# KiCad board 2000ATX.kicad_pcb (continued)
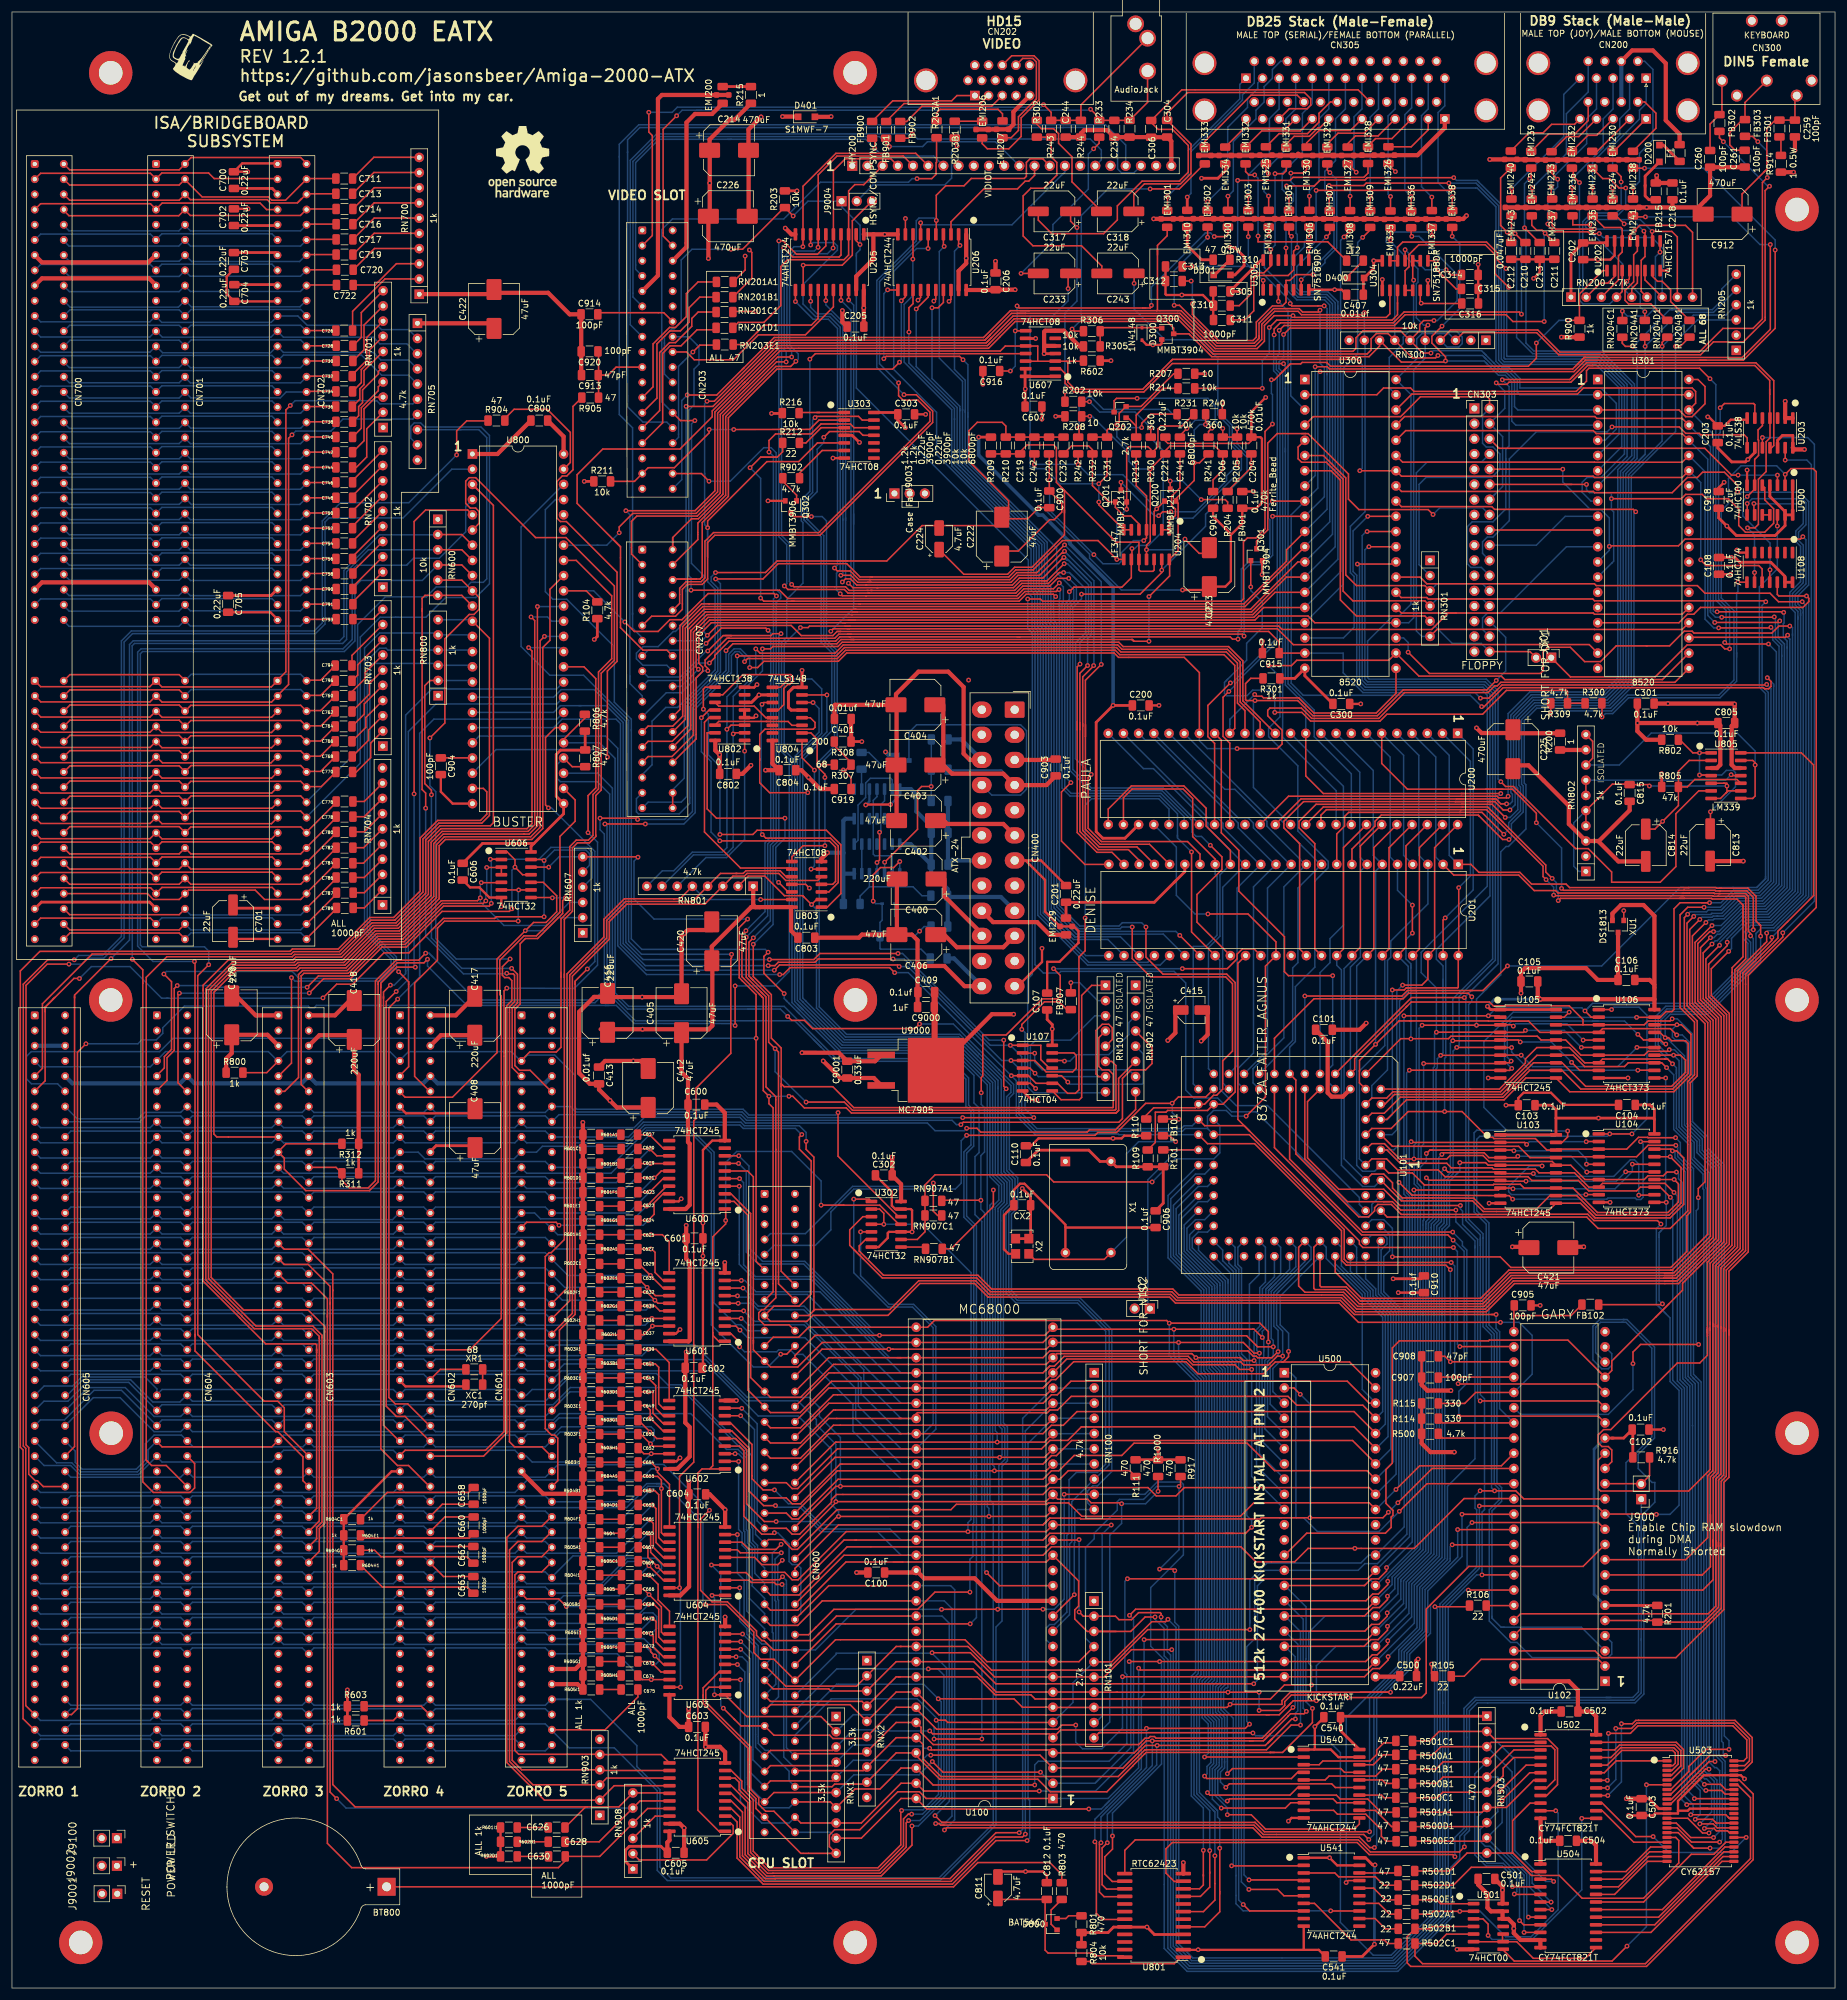
[diagram p0: board, top side]
## Routing (per net, layer and track width the routed paths; a pad name or vN(x,y) marks a point on that pad's centre or on a via; arc(x,y) is an arc through that point) (continued)
Net-(C669-Pad1): length 3.7
  Top w0.25: R605C1.2 C669.1
Net-(C670-Pad1): length 3.7
  Top w0.25: C670.1 R605D1.2
Net-(C671-Pad1): length 3.7
  Top w0.25: R605E1.2 C671.1
Net-(C672-Pad1): length 3.7
  Top w0.25: C672.1 R605F1.2
Net-(C673-Pad1): length 3.6
  Top w0.25: R605G1.2 C673.1
Net-(C674-Pad1): length 3.6
  Top w0.25: R605H1.2 C674.1
Net-(C675-Pad1): length 3.6
  Top w0.25: C675.1 R605I1.2
Net-(C711-Pad1): length 12.4
  Top w0.25: C711.1 60.51,305.92 67.89,305.92
Net-(C711-Pad2): length 49.4
  Top w0.25: 28.89,302.2 31.8,299.29 42.87,299.29 43.43,298.74 45.73,298.74 CN702.A2 ; C711.2 49.1,302.36 ; CN700.A2 9.64,301.28 27.95,301.28 CN701.A2
Net-(C713-Pad1): length 12.4
  Top w0.25: C713.1 60.51,303.38 67.89,303.38
Net-(C713-Pad2): length 48.5
  Top w0.25: 49.1,299.82 C713.2 ; 48.41,298.98 47.82,298.39 ; 48.41,298.98 47.72,298.29 43.24,298.29 42.68,298.84 29.81,298.84 CN701.A3 27.95,298.74 9.64,298.74 CN700.A3 ; 48.41,298.98 49.25,299.82
Net-(C714-Pad1): length 12.4
  Top w0.25: C714.1 60.56,300.84 67.89,300.84
Net-(C714-Pad2): length 47.3
  Top w0.25: 28.87,297.14 27.89,296.16 9.53,296.16 8.6,297.09 ; 28.89,297.12 29.82,296.19 48.23,296.19 49.21,297.17 ; 49.1,297.28 C714.2
Net-(C716-Pad1): length 12.4
  Top w0.25: C716.1 60.56,298.3 67.89,298.3
Net-(C716-Pad2): length 47.1
  Top w0.25: 49.25,294.74 C716.2
  Bottom w0.25: 28.91,294.55 29.84,293.62 48.25,293.62 49.23,294.6 ; 8.6,294.55 9.53,293.62 27.89,293.62 28.87,294.6
Net-(C717-Pad1): length 12.4
  Top w0.25: C717.1 60.56,295.76 67.89,295.76
Net-(C717-Pad2): length 47.1
  Top w0.25: 49.25,292.2 C717.2
  Bottom w0.25: 28.91,292.01 29.84,291.08 48.25,291.08 49.23,292.06 ; 8.6,292.01 9.53,291.08 27.89,291.08 28.87,292.06
Net-(C719-Pad1): length 12.4
  Top w0.25: C719.1 60.56,293.22 67.89,293.22
Net-(C719-Pad2): length 47.3
  Top w0.25: 49.25,289.66 C719.2
  Bottom w0.25: 28.93,289.53 27.95,288.55 9.59,288.55 8.66,289.48 ; 28.93,289.61 30.04,288.5 48.09,288.5 49.25,289.66
Net-(C720-Pad1): length 12.3
  Top w0.25: C720.1 60.61,290.68 67.89,290.68
Net-(C720-Pad2): length 47.2
  Top w0.25: 49.25,287.12 C720.2
  Bottom w0.25: 8.66,286.94 9.59,286.01 27.95,286.01 28.93,286.99 ; 49.21,287.01 48.23,286.03 29.82,286.03 28.89,286.96
Net-(C722-Pad1): length 12.3
  Top w0.25: C722.1 60.72,284.58 64.27,288.14 67.89,288.14
Net-(C722-Pad2): length 47.2
  Top w0.25: 49.25,284.58 C722.2
  Bottom w0.25: 28.89,284.42 29.82,283.49 48.23,283.49 49.21,284.47 ; 8.66,284.4 9.59,283.47 27.95,283.47 28.93,284.45
Net-(C726-Pad1): length 16.4
  Top w0.25: C726.1 56.95,280.18 62.37,285.6 67.89,285.6
Net-(C726-Pad2): length 47.1
  Top w0.25: 49.25,276.96 C726.2
  Bottom w0.25: CN700.A12 9.64,277.84 27.95,277.84 CN701.A12 29.91,277.84 48.27,277.84 CN702.A12
Net-(C728-Pad1): length 11.3
  Top w0.25: C728.1 58.41,275.83 58.41,279.97 RN701.10
Net-(C728-Pad2): length 47.2
  Top w0.25: C728.2 49.25,274.42
  Bottom w0.25: 49.25,274.42 48.27,275.4 29.96,275.4 28.93,274.37 27.95,275.35 9.69,275.35 CN700.A13
Net-(C730-Pad1): length 11.3
  Top w0.25: C730.1 58.86,273.74 58.86,277.88 RN701.9
Net-(C730-Pad2): length 47.1
  Top w0.25: 49.25,271.88 C730.2
  Bottom w0.25: 49.23,271.74 48.25,270.76 29.84,270.76 28.91,271.69 ; 8.66,271.71 9.59,270.78 27.95,270.78 28.93,271.76
Net-(C732-Pad1): length 11.3
  Top w0.25: C732.1 56.9,269.58 59.31,271.99 59.31,275.79 RN701.8
Net-(C732-Pad2): length 47
  Top w0.25: 54.1,269.34 49.25,269.34
  Bottom w0.25: 28.91,269.15 29.84,268.22 48.25,268.22 49.23,269.2 ; 8.66,269.17 9.59,268.24 27.95,268.24 28.93,269.22
Net-(C734-Pad1): length 11.3
  Top w0.25: RN701.7 59.77,273.71 59.77,271.81 58.41,270.45 58.41,268.26 C734.1
Net-(C734-Pad2): length 47.1
  Top w0.25: 49.25,266.8 C734.2
  Bottom w0.25: 8.66,266.63 9.59,265.7 27.95,265.7 28.93,266.68 ; CN701.A16 29.91,265.72 44.87,265.72 45.85,266.7 CN702.A16
Net-(C736-Pad1): length 11.3
  Top w0.25: RN701.6 58.86,270.26 58.86,267.93 58.16,267.23 58.16,265.5 C736.1
Net-(C736-Pad2): length 47
  Top w0.25: C736.2 49.25,264.26
  Bottom w0.25: 28.91,264.07 29.84,263.14 48.25,263.14 49.23,264.12 ; 8.66,264.09 9.59,263.16 27.95,263.16 28.93,264.14
Net-(C738-Pad1): length 11.3
  Top w0.25: C738.1 57.96,262.73 57.96,264.26 58.61,264.92 58.61,267.05 61.25,269.69 61.25,270.12 RN701.5
Net-(C738-Pad2): length 47.1
  Top w0.25: 49.25,261.72 C738.2
  Bottom w0.25: 8.66,261.55 9.59,260.62 27.95,260.62 28.93,261.6 ; CN701.A18 29.91,260.64 48.27,260.64 CN702.A18
Net-(C740-Pad1): length 11.3
  Top w0.25: C740.1 58.41,260.64 58.41,264.08 61.25,266.92 61.25,267.58 RN701.4
Net-(C740-Pad2): length 47.1
  Top w0.25: 49.25,259.18 C740.2
  Bottom w0.25: 28.91,258.99 29.84,258.06 48.25,258.06 49.23,259.04 ; 8.66,259.01 9.59,258.08 27.95,258.08 28.93,259.06
Net-(C742-Pad1): length 12
  Top w0.25: C742.1 58.86,258.55 58.86,263.89 60.81,265.84 RN701.3
Net-(C742-Pad2): length 47.1
  Top w0.25: 49.25,256.64 C742.2
  Bottom w0.25: 28.91,256.45 29.84,255.52 48.25,255.52 49.23,256.5 ; 8.66,256.47 9.59,255.54 27.95,255.54 28.93,256.52
Net-(C744-Pad1): length 11.7
  Top w0.25: RN701.2 59.31,260.55 59.31,255.84 57.57,254.1 C744.1
Net-(C744-Pad2): length 47.1
  Top w0.25: C744.2 49.25,254.1
  Bottom w0.25: 28.91,253.91 29.84,252.98 48.25,252.98 49.23,253.96 ; 8.66,253.93 9.59,253 27.95,253 28.93,253.98
Net-(C746-Pad1): length 7.4
  Top w0.25: C746.1 56.95,251.89 RN702.10
Net-(C746-Pad2): length 47.1
  Top w0.25: 49.25,251.56 54.1,251.56 C746.2
  Bottom w0.25: 28.91,251.37 29.84,250.44 48.25,250.44 49.23,251.42 ; 8.66,251.39 9.59,250.46 27.95,250.46 28.93,251.44
Net-(C748-Pad1): length 7.5
  Top w0.25: C748.1 56.95,249.35 RN702.9
Net-(C748-Pad2): length 47.2
  Top w0.25: 49.25,249.02 C748.2
  Bottom w0.25: 8.66,248.85 9.59,247.92 27.95,247.92 28.93,248.9 ; 28.93,248.97 30,247.9 48.13,247.9 49.25,249.02
Net-(C750-Pad1): length 7.5
  Top w0.25: C750.1 56.95,246.81 RN702.8
Net-(C750-Pad2): length 47.1
  Top w0.25: C750.2 49.25,246.48
  Bottom w0.25: 28.93,246.36 27.95,245.38 9.59,245.38 8.66,246.31 ; 28.91,246.29 29.84,245.36 48.25,245.36 49.23,246.34
Net-(C752-Pad1): length 7.5
  Top w0.25: C752.1 56.95,244.27 RN702.7
Net-(C752-Pad2): length 47.1
  Top w0.25: 49.25,243.94 C752.2
  Bottom w0.25: 28.93,243.82 27.95,242.84 9.59,242.84 8.66,243.77 ; 49.23,243.8 48.25,242.82 29.84,242.82 28.91,243.75
Net-(C754-Pad1): length 7.5
  Top w0.25: C754.1 56.95,241.73 RN702.6
Net-(C754-Pad2): length 47.1
  Top w0.25: C754.2 49.25,241.4
  Bottom w0.25: 28.93,241.28 27.95,240.3 9.59,240.3 8.66,241.23 ; 49.23,241.26 48.25,240.28 29.84,240.28 28.91,241.21
Net-(C756-Pad1): length 7.5
  Top w0.25: C756.1 56.95,239.19 RN702.5
Net-(C756-Pad2): length 47.1
  Top w0.25: 49.25,238.86 54.1,238.86 C756.2
  Bottom w0.25: 28.93,238.74 27.95,237.76 9.59,237.76 8.66,238.69 ; 49.23,238.72 48.25,237.74 29.84,237.74 28.91,238.67
Net-(C758-Pad1): length 7.4
  Top w0.25: C758.1 57,236.71 RN702.4
Net-(C758-Pad2): length 47.2
  Top w0.25: C758.2 49.3,236.37 49.25,236.32
  Bottom w0.25: 49.23,236.18 48.25,235.2 29.84,235.2 28.91,236.13 ; CN700.A28 9.64,235.24 27.95,235.24 CN701.A28
Net-(C760-Pad1): length 9
  Top w0.25: RN703.7 59.06,219.81 59.06,218.83 56.85,216.63 C760.1
Net-(C760-Pad2): length 48
  Top w0.25: 28.93,213.41 27.95,214.39 9.69,214.39 CN700.C3 ; 49.25,213.46 51.61,213.46 C760.2 ; CN702.C3 48.27,214.34 29.91,214.34 CN701.C3
Net-(C762-Pad1): length 9
  Top w0.25: RN703.6 59.77,217.98 59.77,216.23 C762.1
Net-(C762-Pad2): length 48.1
  Top w0.25: 28.93,210.87 27.95,211.85 9.69,211.85 CN700.C4 ; C762.2 51.66,210.92 49.25,210.92 49.3,210.87 ; CN702.C4 48.27,211.8 29.91,211.8 CN701.C4
Net-(C764-Pad1): length 9
  Top w0.25: RN703.5 58.91,214.59 58.91,212.88 C764.1
Net-(C764-Pad2): length 48
  Top w0.25: 28.93,208.33 27.95,209.31 9.69,209.31 CN700.C5 ; 49.25,208.38 51.61,208.38 C764.2 ; CN701.C5 29.91,209.26 48.27,209.26 CN702.C5
Net-(C766-Pad1): length 8.9
  Top w0.25: RN703.4 59.16,212.3 59.16,210.65 C766.1
Net-(C766-Pad2): length 48.1
  Top w0.25: 28.93,205.79 27.95,206.77 9.69,206.77 CN700.C6 ; C766.2 51.56,205.84 49.25,205.84 49.3,205.89 ; CN702.C6 48.27,206.72 29.91,206.72 CN701.C6
Net-(C768-Pad1): length 8.9
  Top w0.25: C768.1 59.61,208.51 59.61,210.21 RN703.3
Net-(C768-Pad2): length 48.2
  Top w0.25: CN700.C7 9.69,204.23 27.95,204.23 28.93,203.25 29.96,204.28 48.27,204.28 49.25,203.3 51.61,203.3 54.1,205.79 54.05,205.74
Net-(C770-Pad1): length 9.3
  Top w0.25: RN703.2 59.97,208.03 59.97,205.59 57.57,203.2 C770.1
Net-(C770-Pad2): length 48.1
  Top w0.25: 28.93,200.71 27.95,201.69 9.69,201.69 CN700.C8 ; 49.25,200.76 51.71,200.76 C770.2 ; CN702.C8 48.27,201.64 29.91,201.64 CN701.C8
Net-(C776-Pad1): length 6.5
  Top w0.25: RN704.9 58.9,198.27 C776.1 57,198.61
Net-(C776-Pad2): length 49.4
  Top w0.25: 49.25,193.14 54.2,198.09 C776.2 ; 28.93,193.09 27.95,194.07 9.69,194.07 CN700.C11 ; CN701.C11 29.91,194.02 48.27,194.02 CN702.C11
Net-(C778-Pad1): length 6.5
  Top w0.25: RN704.8 58.9,195.73 C778.1 57,196.07
Net-(C778-Pad2): length 49.4
  Top w0.25: 49.25,190.6 54.2,195.55 C778.2 ; CN702.C12 48.27,189.52 29.91,189.52 CN701.C12 27.95,189.52 9.64,189.52 CN700.C12
Net-(C780-Pad1): length 6.5
  Top w0.25: RN704.7 58.9,193.19 C780.1 57,193.53
Net-(C780-Pad2): length 49.4
  Top w0.25: 49.25,188.06 54.2,193.01 C780.2 ; CN700.C13 9.64,186.98 27.95,186.98 CN701.C13 29.91,186.98 48.27,186.98 CN702.C13
Net-(C782-Pad1): length 6.7
  Top w0.25: RN704.6 58.8,190.55 C782.1 57,190.99
Net-(C782-Pad2): length 49.3
  Top w0.25: 49.25,185.52 54.2,190.47 C782.2 ; CN702.C14 48.27,184.44 29.91,184.44 CN701.C14 27.95,184.44 9.64,184.44 CN700.C14
Net-(C784-Pad1): length 6.8
  Top w0.25: RN704.5 58.75,187.96 C784.1 57,188.45
Net-(C784-Pad2): length 49.7
  Top w0.25: 49.25,182.98 54.2,187.93 C784.2 ; CN700.C15 22.65,182.88 23.63,181.9 27.95,181.9 CN701.C15 29.51,183.46 40.67,183.46 42.23,181.9 48.27,181.9 CN702.C15
Net-(C786-Pad1): length 6.5
  Top w0.25: RN704.4 58.9,185.57 C786.1 57,185.91
Net-(C786-Pad2): length 49.4
  Top w0.25: 49.25,180.44 54.2,185.39 C786.2 ; CN701.C16 27.95,179.36 9.64,179.36 CN700.C16
  Bottom w0.25: 28.93,180.24 29.86,179.31 48.27,179.31 49.25,180.29
Net-(C787-Pad1): length 6.5
  Top w0.25: RN704.3 58.9,183.03 C787.1 57.05,183.42
Net-(C787-Pad2): length 49.5
  Top w0.25: CN702.C17 54.25,182.8 C787.2 ; CN701.C17 27.95,176.82 9.64,176.82 CN700.C17
  Bottom w0.25: CN702.C17 48.27,176.82 29.91,176.82 CN701.C17
Net-(C789-Pad1): length 6.5
  Top w0.25: RN704.2 58.9,180.49 C789.1 57.05,180.88
Net-(C789-Pad2): length 49.5
  Top w0.25: 49.25,175.36 54.25,180.36 C789.2 ; 28.93,175.31 27.95,176.29 9.69,176.29 CN700.C18
  Bottom w0.25: 49.25,175.36 48.27,176.34 29.96,176.34 28.93,175.31
Net-(C790-Pad1): length 7.5
  Top w0.25: C790.1 57,234.17 RN702.3
Net-(C790-Pad2): length 47.1
  Top w0.25: 49.25,233.78 C790.2
  Bottom w0.25: 28.89,233.6 29.82,232.67 48.23,232.67 49.21,233.65 ; 8.61,233.62 9.53,232.69 27.89,232.69 28.87,233.67
Net-(C791-Pad1): length 7.5
  Top w0.25: C791.1 57,231.63 RN702.2
Net-(C791-Pad2): length 47.1
  Top w0.25: 49.25,231.24 C791.2
  Bottom w0.25: 49.21,231.11 48.23,230.13 29.82,230.13 28.89,231.06 27.91,230.08 9.55,230.08 8.62,231.01
Net-(C793-Pad1): length 5.7
  Top w0.25: C793.1 60.38,228.75 RN703.10
Net-(C793-Pad2): length 47.1
  Top w0.25: 49.25,228.7 54.15,228.7 C793.2
  Bottom w0.25: 49.21,228.57 48.23,227.59 29.82,227.59 28.89,228.52 27.91,227.54 9.55,227.54 8.62,228.47
Net-(C794-Pad1): length 9
  Top w0.25: RN703.9 56.85,222.68 C794.1
Net-(C794-Pad2): length 48.1
  Top w0.25: 28.93,218.49 27.95,219.47 9.69,219.47 CN700.C1 ; 49.25,218.54 51.61,218.54 C794.2
  Bottom w0.25: 49.25,218.54 48.27,219.52 29.96,219.52 28.93,218.49
Net-(C796-Pad1): length 9
  Top w0.25: C796.1 57.8,219.39 57.8,221.09 RN703.8
Net-(C796-Pad2): length 48.1
  Top w0.25: 28.93,215.95 27.95,216.93 9.69,216.93 CN700.C2 ; 49.25,216 51.61,216 C796.2
  Bottom w0.25: 49.25,216 48.27,216.98 29.96,216.98 28.93,215.95
Net-(C811-Pad1): length 30.9
  Top w0.25: 186.05,5.11 185.77,5.39 181.04,5.39 180.59,5.84 173.23,5.84 172.74,6.33 D800.3 172.74,14.52 C812.1 165.59,14.81 164.85,14.06
Net-(C813-Pad1): length 29.7
  Top w0.25: v1(283.97,196.55) 283.97,193.76 C813.1 ; U805.1 v1(282.14,206.4) 281.03,206.4 278.84,208.58 R802.1 ; v1(282.14,202.69) 283.99,202.69 U805.4
  Bottom w0.25: v1(282.14,206.4) v1(282.14,202.69) 285.85,202.69 286.63,203.47 287.77,203.47 288.15,203.09 288.15,200.72 v1(283.97,196.55)
Net-(C815-Pad1): length 50.7
  Top w0.25: U805.9 286.92,200.05 286.51,199.64 ; RN802.4 RN802.5 ; RN802.5 263.14,196.8 ; RN802.5 267.56,201.17 270.39,201.17 C815.1 273.53,201.09 v1(273.76,200.86) ; 286.36,201.32 286.21,201.32 ; 286.21,201.32 U805.5 ; 286.21,201.32 286.72,201.32 v1(286.72,200.86) 286.72,199.85 286.51,199.64 ; 286.51,199.64 285.65,198.78 U805.7
  Bottom w0.25: v1(286.72,200.86) v1(273.76,200.86) ; RN802.1 261.98,186.59 261.11,187.45 261.11,194.72 RN802.5
Net-(C905-Pad1): length 16.6
  Top w0.25: FB102.2 260.65,112.37 251.1,112.37 ; 251.1,112.37 251.1,114 C905.1 ; 251.1,112.37 U102.25
Net-(C919-Pad1): length 327.1
  Top w0.25: R308.2 137.49,207.6 140.29,204.8 R307.1 139.4,203.53 v1(139,203.53) 140.29,202.25 C919.1
  In1.Cu w0.25: 17.5,20.42 16.94,19.86 ; 1.02,42.86 1.02,43.43 ; 1.02,43.43 1.02,37.85 ; 1.02,43.43 1.02,140.87 3.34,143.19 99.75,143.19 117.29,160.74 117.29,166.57 131.07,180.35 131.07,195.6 v1(139,203.53) ; 1.02,37.85 1.02,37.34 ; 1.02,37.85 1.02,21.03 3.96,18.08 15.21,18.08 J9002.1
Net-(C9103-Pad1): length 16.6
  Bottom w0.25: C9103.1 141.8,182.47 143.35,184.02 ; 143.35,184.02 150.64,184.02 152.14,182.52 R9103.2 ; 143.35,184.02 U9101.5
Net-(C9104-Pad1): length 30.2
  Top w0.25: v1(143.99,181.62) 143.99,186.01 145.2,187.23 147.42,187.23 v1(148.43,188.24)
  Bottom w0.25: C9104.1 151.99,173.6 145.22,173.6 145.12,173.7 R9101.1 145.12,178.07 145.48,178.43 D9100.1 144.41,181.2 v1(143.99,181.62) ; U9101.1 v1(148.43,188.24)
Net-(C9105-Pad1): length 29
  Top w0.25: v1(145.9,188.13) 151.4,193.62 151.4,200.1 152.08,200.78 v1(153.69,200.78)
  Bottom w0.25: v1(145.9,188.13) 145.9,186.21 U9101.3 ; C9105.1 v1(153.69,200.78) 153.69,203.57 R9102.2 153.7,208.64 R9105.1
Net-(CN200-Pad1): length 22.7
  Top w0.25: v1(267.61,300.79) 267.61,298.73
  Bottom w0.25: v1(267.61,300.79) 267.61,307.82 272.1,312.31 272.1,313.76 273.23,314.89 CN200.1
Net-(CN200-Pad2): length 23.1
  Top w0.25: v1(264.26,300.84) 264.26,298.78
  Bottom w0.25: CN200.2 270.46,313.99 268.81,312.35 268.81,309.66 264.26,305.11 264.26,304.2 ; 264.26,304.2 264.26,304.38 ; 264.26,304.2 v1(264.26,300.84)
Net-(CN200-Pad3): length 23.5
  Top w0.25: v1(260.86,300.89) 260.86,298.83 260.91,298.78
  Bottom w0.25: CN200.3 267.69,313.99 266.04,312.35 266.04,307.52 260.86,302.34 v1(260.86,300.89) 261.04,301.07
Net-(CN200-Pad4): length 23.7
  Top w0.25: v1(257.35,300.99) 257.35,298.99 257.51,298.83
  Bottom w0.25: 257.51,300.84 v1(257.35,300.99) 257.35,302.27 263.27,308.19 263.27,312.35 264.92,313.99 CN200.4
Net-(CN200-Pad5): length 25.5
  Top w0.25: EMI243.2 250.75,298.99 v1(250.75,300.69)
  Bottom w0.25: 254.13,304.06 253.74,303.67 ; 253.74,303.67 259.44,309.37 259.44,316.42 CN200.5 ; 253.74,303.67 v1(250.75,300.69)
Net-(CN200-Pad9): length 27.6
  Top w0.25: 254.1,298.88 254.18,298.96 v1(254.18,300.81)
  Bottom w0.25: v1(254.18,300.81) 254.15,300.79 ; v1(254.18,300.81) 259.89,306.52 259.89,313.19 263.53,316.83 CN200.9 ; v1(254.18,300.81) 254.58,301.21
Net-(CN200-Pad10): length 8.6
  Top w0.25: 267.1,307.42 EMI230.2 267.81,306.91 CN200.10
Net-(CN200-Pad11): length 8.6
  Top w0.25: 264.1,307.02 EMI231.2 265.04,306.91 CN200.11
Net-(CN200-Pad12): length 9.1
  Top w0.25: 260.81,306.92 EMI232.2 263.48,309.59 264.94,309.59 CN200.12
Net-(CN200-Pad13): length 9.8
  Top w0.25: CN200.13 261.96,309.37 259.92,309.37 EMI233.2
Net-(CN200-Pad14): length 13.8
  Top w0.25: EMI240.1 253.65,310.01 256,310.01 257.41,311.42 261.24,311.42 CN200.14
Net-(CN200-Pad15): length 11.8
  Top w0.25: EMI238.1 271.02,306.92 274.86,310.76 274.86,313.28 272.97,315.17 CN200.15
Net-(CN200-Pad18): length 14.8
  Top w0.25: EMI239.1 256.91,309.82 261.31,309.82 263.53,312.05 CN200.18
Net-(CN202-Pad1): length 19
  Top w0.25: CN202.1 157.99,316.23 157.11,315.35 147.25,315.35 FB900.1
Net-(CN202-Pad2): length 18.9
  Top w0.25: FB901.1 149.15,314.9 161.95,314.9 CN202.2
Net-(CN202-Pad3): length 18.9
  Top w0.25: FB902.1 149.6,311.9 152.15,314.45 163.79,314.45 CN202.3
Net-(CN202-Pad13): length 29.7
  Top w0.25: EMI206.2 162.2,308.2 163.07,307.34 166.67,307.34 168.73,309.4 168.73,312.51 171.72,315.5 171.72,322.04 170.87,322.89 167.14,322.89 CN202.13
Net-(CN202-Pad14): length 20
  Top w0.25: EMI207.2 167.06,309.19 168.28,310.41 168.28,312.69 171.27,315.69 171.27,321.85 170.69,322.44 168.98,322.44 CN202.14
Net-(CN203-Pad23): length 26.8
  Top w0.25: RN201A1.2 114.71,285.09 112.75,283.13 112.75,279.3 110.94,277.49 109.94,277.49 107.19,274.74 107.19,267.57 CN203.23
Net-(CN203-Pad25): length 27.1
  Top w0.25: CN203.25 107.84,265.68 107.84,274.75 109.99,276.91 111.75,276.91 113.21,278.36 113.21,280.77 114.99,282.55 RN201B1.2
Net-(CN203-Pad27): length 26.8
  Top w0.25: RN201C1.2 114.73,280.06 113.66,278.99 113.66,277.67 110.94,274.95 109.94,274.95 108.29,273.29 108.29,263.59 CN203.27
Net-(CN203-Pad29): length 27.1
  Top w0.25: RN201D1.2 117.4,277.09 114.53,277.09 111.86,274.41 110.04,274.41 108.79,273.16 108.79,261.55 CN203.29
Net-(CN203-Pad33): length 43.8
  Top w0.25: v1(116.56,260.43) 116.56,259.86 110.75,254.05 106.36,254.05 CN203.33 104.08,251.76 R211.2 ; 139.08,262.08 139.16,262 134.93,262 133.38,260.45 v1(120.68,260.43)
  Bottom w0.25: v1(120.68,260.43) v1(116.56,260.43)
Net-(CN305-Pad1): length 27.6
  Top w0.25: v1(193.19,299.36) 193.19,297.08 EMI301.2
  Bottom w0.25: CN305.1 205.28,318.09 205.28,315.67 196.67,307.06 196.67,302.84 v1(193.19,299.36)
Net-(CN305-Pad2): length 26
  Top w0.25: EMI302.2 v1(199.9,298.5)
  Bottom w0.25: 203.34,301.95 203.26,301.86 ; 203.26,301.86 v1(199.9,298.5) ; 203.26,301.86 203.26,310.94 206.57,314.25 206.57,315.7 208.28,317.41 208.28,318.33 CN305.2
Net-(CN305-Pad3): length 24.7
  Top w0.25: v1(206.71,299.47) EMI303.2
  Bottom w0.25: 206.5,299.67 v1(206.71,299.47) 206.71,302.98 208.82,305.09 ; CN305.3 211.85,313.99 210.23,312.37 210.23,306.51 208.82,305.09 ; 208.82,305.09 208.98,305.25
Net-(CN305-Pad4): length 24.8
  Top w0.25: EMI304.2 210.11,299.42 v1(210.08,299.44)
  Bottom w0.25: 210.11,299.42 v1(210.08,299.44) 209.33,300.19 209.33,303.52 ; 209.33,303.52 212.98,307.17 212.98,312.35 214.62,313.99 CN305.4 ; 209.33,303.52 209.43,303.62
Net-(CN305-Pad5): length 24.6
  Top w0.25: v1(213.51,299.42) EMI305.2
  Bottom w0.25: CN305.5 217.39,314.88 215.75,313.24 215.75,306.67 212.37,303.29 212.37,300.56 v1(213.51,299.42)
Net-(CN305-Pad6): length 23.4
  Top w0.25: EMI306.2 v1(216.92,299.42)
  Bottom w0.25: CN305.6 220.16,314 218.52,312.36 218.52,301.94 216.92,300.34 v1(216.92,299.42)
Net-(CN305-Pad7): length 24
  Top w0.25: v1(220.24,299.54) 220.24,297.08 EMI307.2
  Bottom w0.25: 220.32,299.47 v1(220.24,299.54) 219.49,300.29 219.49,303.57 221.28,305.36 221.28,312.34 222.93,313.99 CN305.7
Net-(CN305-Pad8): length 22.9
  Top w0.25: EMI308.2 v1(223.72,299.42)
  Bottom w0.25: v1(223.72,299.42) 223.72,303.49 224.37,304.14 224.37,312.66 225.7,313.99 CN305.8
Net-(CN305-Pad9): length 22.7
  Top w0.25: v1(227.08,299.42) EMI309.2
  Bottom w0.25: CN305.9 228.47,313.99 227.08,312.6 v1(227.08,299.42)
Net-(CN305-Pad10): length 22.8
  Top w0.25: EMI335.2 v1(230.48,299.36)
  Bottom w0.25: v1(230.48,299.36) 230.08,299.76 230.08,312.83 231.24,313.99 CN305.10
Net-(CN305-Pad11): length 23.1
  Top w0.25: v1(233.93,299.36) EMI336.2
  Bottom w0.25: CN305.11 234.01,314.18 232.87,313.04 232.87,300.42 v1(233.93,299.36)
Net-(CN305-Pad12): length 23.3
  Top w0.25: EMI337.2 v1(237.39,299.26)
  Bottom w0.25: CN305.12 236.78,313.99 235.66,312.87 235.66,300.99 v1(237.39,299.26)
Net-(CN305-Pad13): length 23.6
  Top w0.25: v1(240.79,299.31) EMI338.2
  Bottom w0.25: v1(240.79,299.31) 238.43,301.68 238.43,313.39 239.55,314.51 CN305.13
Net-(CN305-Pad14): length 29.6
  Top w0.457: v1(196.49,299.26) EMI310.1
  Bottom w0.25: v1(196.49,299.26) 197.12,299.89 197.12,306.88 205.73,315.49 205.73,316.36 207.7,318.33 CN305.14
Net-(CN305-Pad16): length 29.7
  Top w0.25: v1(203.3,299.42) EMI300.1
  Bottom w0.25: v1(203.3,299.42) 204.2,300.32 204.2,308.55 207.98,312.33 207.98,313.78 209.34,315.14 209.34,317.72 210.73,319.11 210.73,320.59 212.11,321.97 CN305.16
Net-(CN305-Pad27): length 9.7
  Top w0.25: EMI326.2 233.95,307.67 236.78,310.51 CN305.27
Net-(CN305-Pad28): length 9.3
  Top w0.25: EMI328.2 226.72,307.79 227.97,309.04 230.71,309.04 CN305.28
Net-(CN305-Pad29): length 10.8
  Top w0.25: 223.86,307.62 EMI327.2 223.32,308.19 224.62,309.49 228.41,309.49 CN305.29
Net-(CN305-Pad30): length 10.8
  Top w0.25: CN305.30 226.09,309.94 221.7,309.94 219.91,308.16 EMI329.2
Net-(CN305-Pad31): length 11.6
  Top w0.25: EMI330.2 216.46,308.33 218.52,310.39 223.77,310.39 CN305.31
Net-(CN305-Pad33): length 9.3
  Top w0.25: EMI331.2 213.06,308.11 214.37,309.42 216.91,309.42 218.33,310.84 218.67,310.84 CN305.33
Net-(CN305-Pad34): length 13.7
  Top w0.25: 206.25,308.18 EMI332.1 208.95,310.32 215.39,310.32 CN305.34
Net-(CN305-Pad35): length 13.8
  Top w0.25: 202.92,307.62 EMI334.1 205.99,310.77 213.07,310.77 CN305.35
Net-(CN305-Pad45): length 15.9
  Top w0.25: EMI325.2 211.85,309.87 216.6,309.87 218.52,311.79 218.52,313.26 220.42,315.16 CN305.45
Net-(CN305-Pad47): length 21.2
  Top w0.25: CN305.47 214.88,316.29 207.16,316.29 199.44,308.57 EMI333.1
Net-(CN601-Pad97): length 84.5
  Bottom w0.25: 85.06,40.61 84.08,41.59 65.72,41.59 64.74,40.61 63.76,41.59 45.4,41.59 44.42,40.61 43.44,41.59 25.08,41.59 24.1,40.61 23.12,41.59 4.76,41.59 3.78,40.61
Net-(CN601-Pad98): length 84.5
  Bottom w0.25: 8.86,40.61 9.84,39.63 28.2,39.63 29.18,40.61 30.16,39.63 48.52,39.63 49.5,40.61 50.48,39.63 68.84,39.63 69.82,40.61 70.8,39.63 89.16,39.63 90.14,40.61
Net-(CN700-PadA1): length 42.2
  Top w0.25: 49.25,304.9 48.27,305.88 29.96,305.88 28.93,304.85 ; CN701.A1 27.95,303.82 9.64,303.82 CN700.A1
Net-(CN700-PadA10): length 42.4
  Bottom w0.25: CN700.A10 9.72,280.88 27.82,280.88 28.93,281.99 29.99,280.93 48.14,280.93 49.25,282.04
Net-(CN700-PadA11): length 42.3
  Bottom w0.25: 49.25,279.5 48.27,280.48 29.96,280.48 28.93,279.45 27.95,280.43 9.69,280.43 CN700.A11
Net-(CN700-PadB2): length 42.2
  Top w0.25: 44.4,302.36 33.81,302.36 32.88,303.29 25.06,303.29 24.08,302.31 23.15,303.24 4.79,303.24 CN700.B2
Net-(CN700-PadB4): length 42.3
  Top w0.25: CN700.B4 4.79,298.16 23.15,298.16 24.08,297.23 25.11,298.26 41.49,298.26 42.57,297.18 CN702.B4
Net-(CN700-PadB6): length 42.2
  Bottom w0.25: CN700.B6 4.79,293.08 23.15,293.08 24.08,292.15 25.06,293.13 43.47,293.13 44.4,292.2
Net-(CN700-PadB8): length 42.2
  Bottom w0.25: 44.4,287.12 43.47,288.05 25.06,288.05 24.08,287.07 23.15,288 4.79,288 CN700.B8
Net-(CN700-PadB11): length 67.2
  Bottom w0.25: 24.08,279.45 23.05,278.42 4.79,278.42 CN700.B11 ; 44.38,279.36 43.35,278.33 25.04,278.33 24.06,279.31 ; CN702.B11 47.8,279.4 49.36,277.84 61.07,277.84 61.79,277.12 66.31,277.12 RN705.2
Net-(CN700-PadB12): length 67.3
  Bottom w0.25: CN700.B12 4.79,275.88 23.05,275.88 24.08,276.91 25.14,275.85 43.29,275.85 44.4,276.96 ; 44.4,276.83 45.38,275.85 60.4,275.85 61.51,274.74 66.02,274.74 67.79,272.97
Net-(CN700-PadB13): length 67.3
  Bottom w0.25: CN700.B13 4.79,273.34 23.05,273.34 24.08,274.37 25.19,273.26 43.24,273.26 44.4,274.42 ; 44.4,274.29 45.38,273.31 60.4,273.31 61.68,272.04 66.31,272.04 RN705.4
Net-(CN700-PadB14): length 68.2
  Bottom w0.25: 60.4,270.9 60.56,270.74 ; 60.56,270.74 61.8,269.5 66.31,269.5 RN705.5 ; 60.56,270.74 58.44,272.86 45.38,272.86 44.4,271.88 43.47,272.81 25.06,272.81 24.08,271.83 23.15,272.76 4.79,272.76 CN700.B14
Net-(CN700-PadB15): length 42.2
  Bottom w0.25: CN700.B15 4.79,270.22 23.15,270.22 24.08,269.29 25.06,270.27 43.47,270.27 44.4,269.34
Net-(CN700-PadB16): length 42.2
  Bottom w0.25: CN700.B16 4.79,267.68 23.15,267.68 24.08,266.75 25.06,267.73 43.47,267.73 44.4,266.8
Net-(CN700-PadB17): length 42.2
  Bottom w0.25: CN700.B17 4.79,265.14 23.15,265.14 24.08,264.21 25.06,265.19 43.47,265.19 44.4,264.26
Net-(CN700-PadB18): length 42.2
  Bottom w0.25: CN700.B18 4.79,262.6 23.15,262.6 24.08,261.67 25.06,262.65 43.47,262.65 44.4,261.72
Net-(CN700-PadB19): length 42.2
  Bottom w0.25: CN700.B19 4.79,260.06 23.15,260.06 24.08,259.13 25.06,260.11 43.47,260.11 44.4,259.18
Net-(CN700-PadB20): length 42.2
  Bottom w0.25: CN700.B20 4.79,257.52 23.15,257.52 24.08,256.59 25.06,257.57 43.47,257.57 44.4,256.64
Net-(CN700-PadB21): length 42.2
  Bottom w0.25: CN700.B21 4.79,254.98 23.15,254.98 24.08,254.05 25.06,255.03 43.47,255.03 44.4,254.1
Net-(CN700-PadB22): length 42.2
  Bottom w0.25: CN700.B22 4.79,252.44 23.15,252.44 24.08,251.51 25.06,252.49 43.47,252.49 44.4,251.56
Net-(CN700-PadB23): length 42.2
  Bottom w0.25: 44.4,249.02 43.47,249.95 25.06,249.95 24.08,248.97 23.15,249.9 4.79,249.9 CN700.B23
Net-(CN700-PadB24): length 42.2